# Altium PCB flexi_ethernet_w5500_solo.pcbdoc (part 1 of 7)
Units mm, origin at the board's own origin, x right, y up, seen from the top; angles counter-clockwise.
Board outline 85 x 20.49 mm, 4 copper layers (Top Layer, GND, PWR, Bottom Layer), stack 1.541 mm thick; 61 components, 41 nets, 7605 pads, 85 vias.
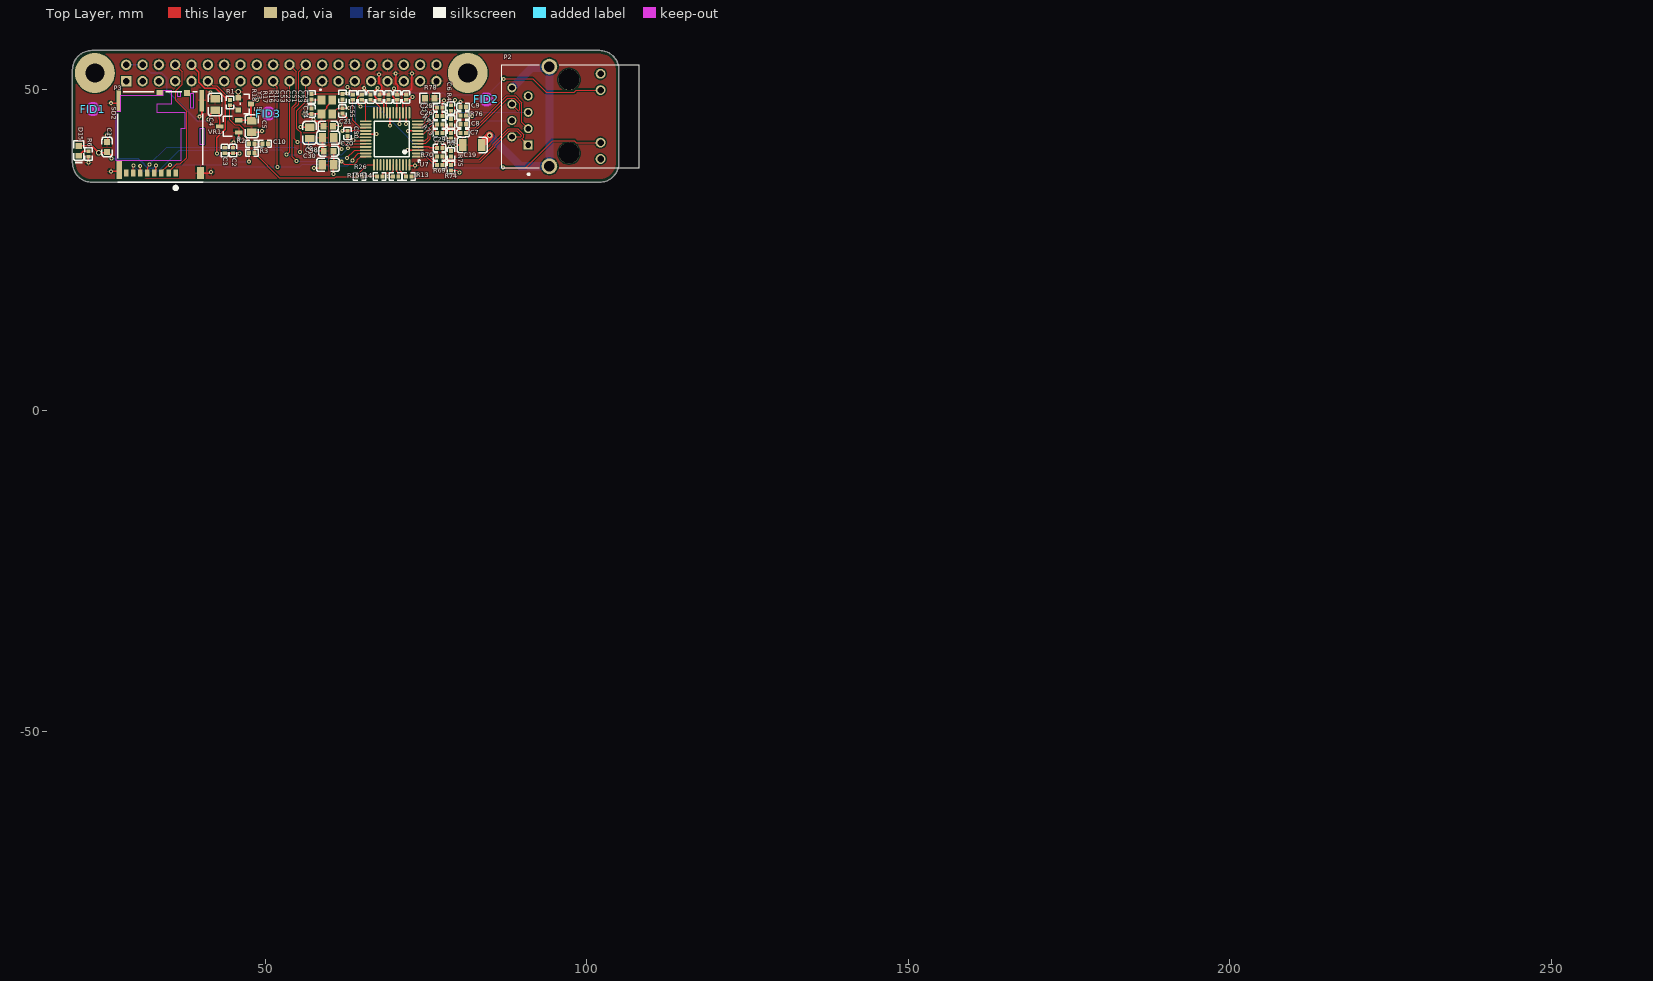
[diagram p0: Top Layer view]
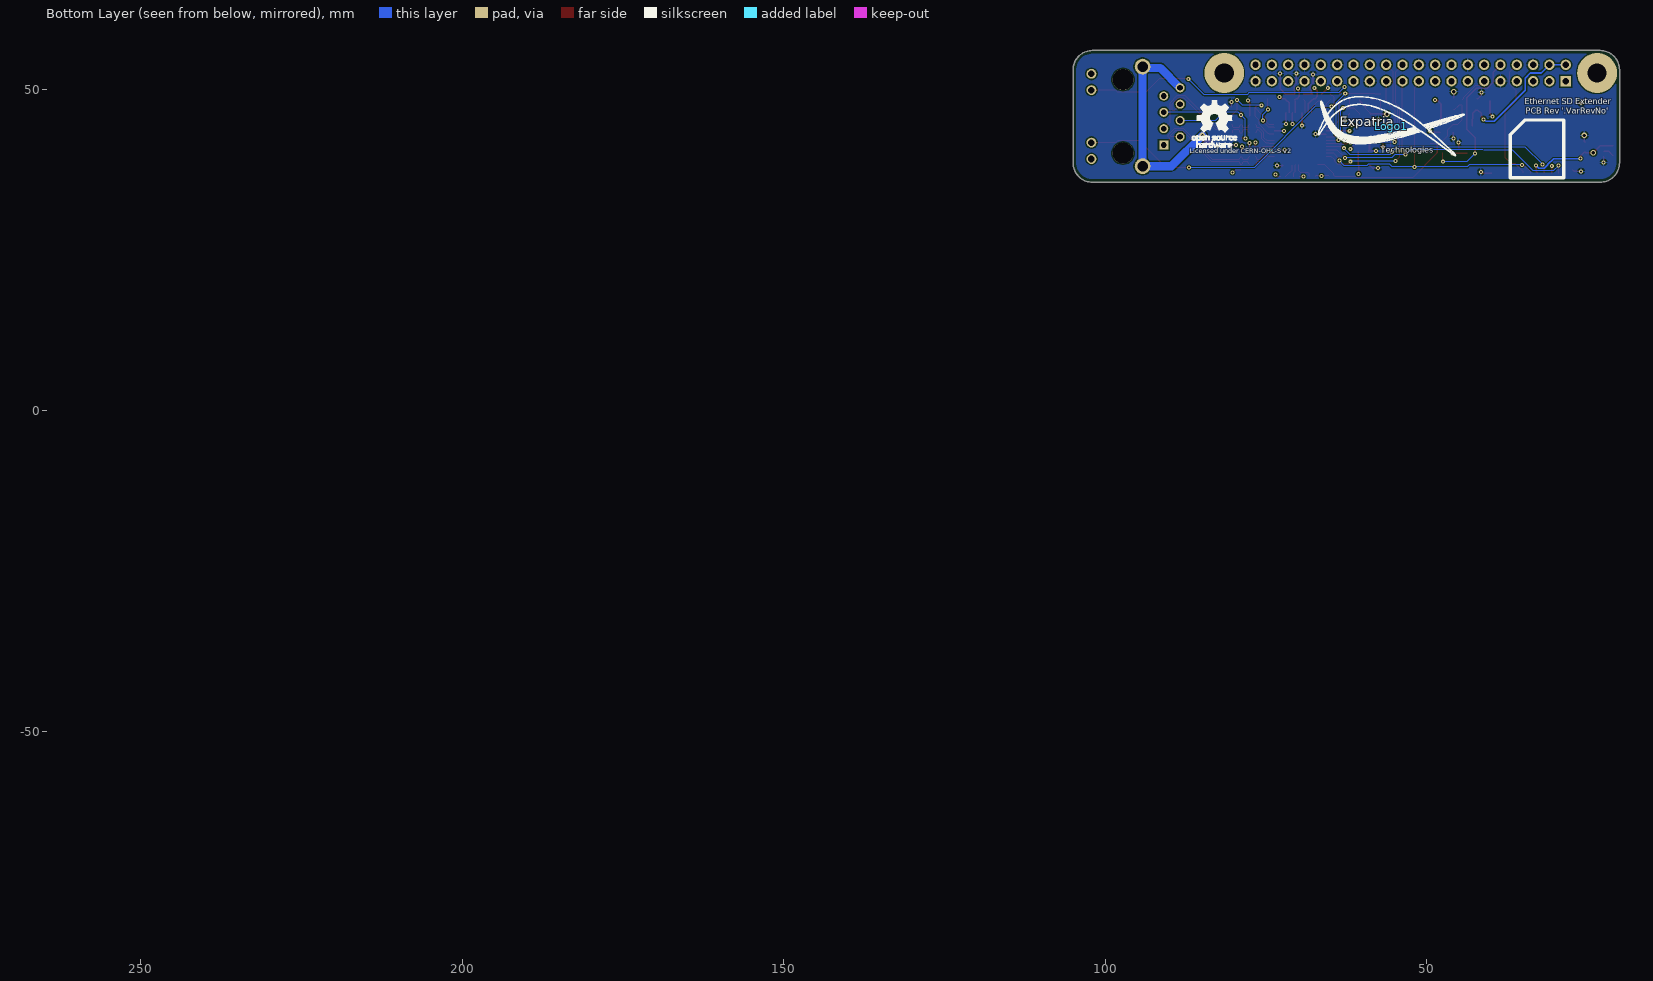
[diagram p1: Bottom Layer view, seen from below]
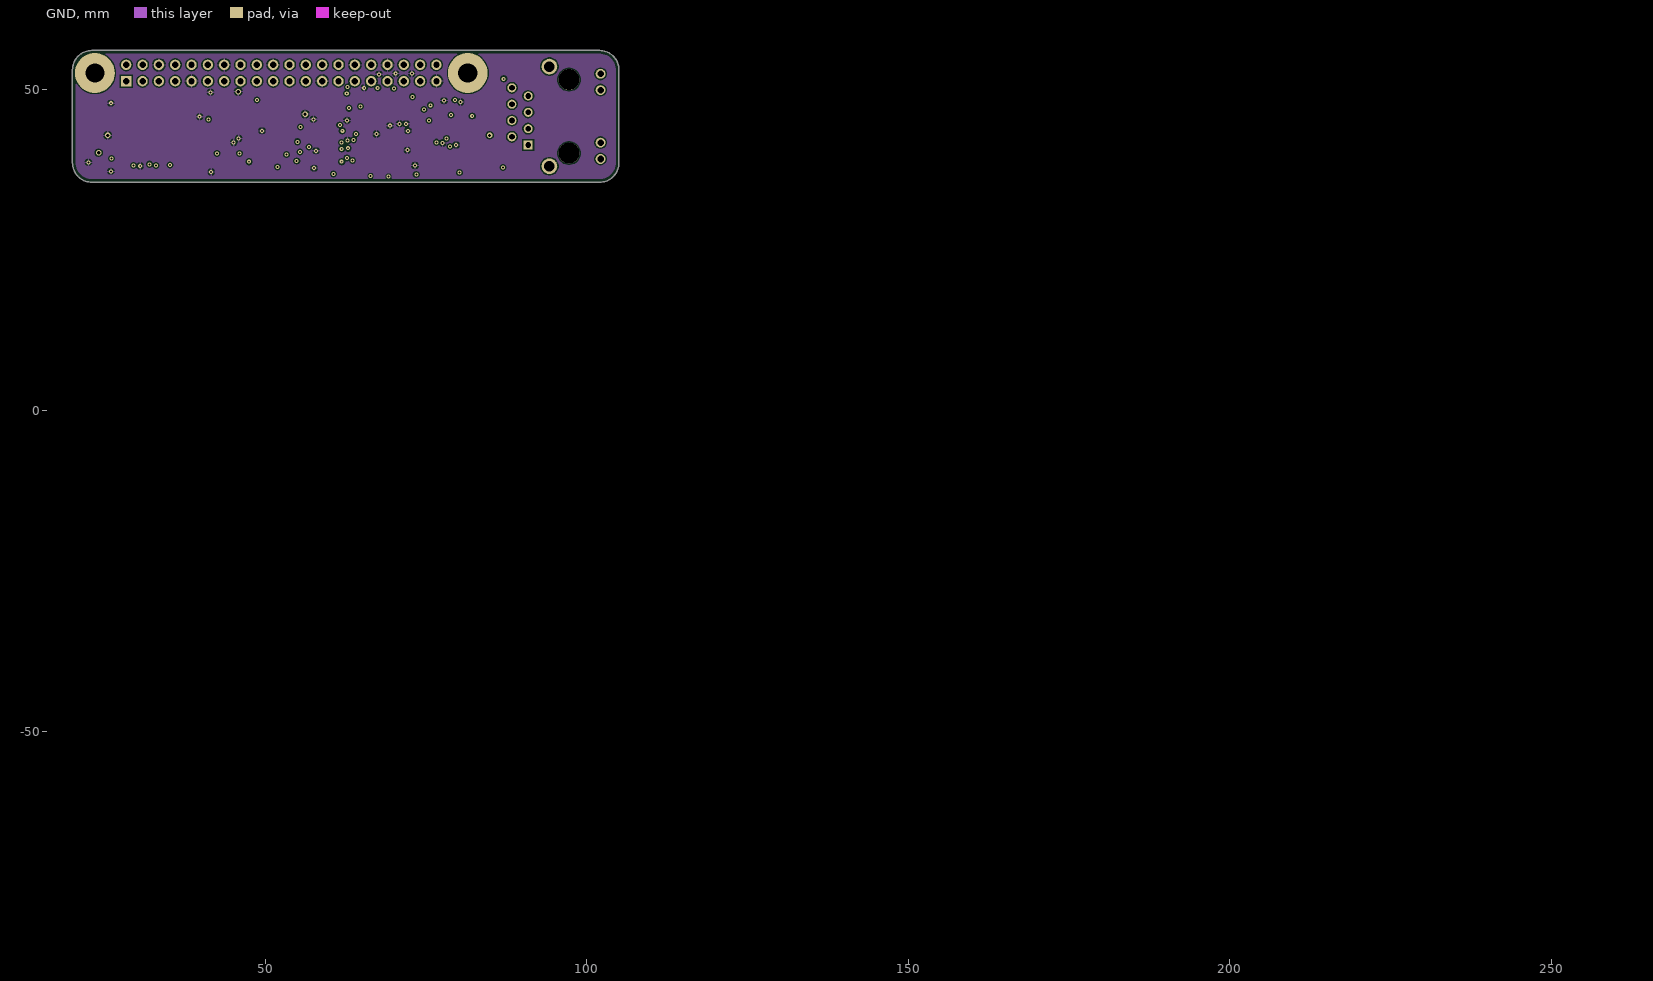
[diagram p2: GND]
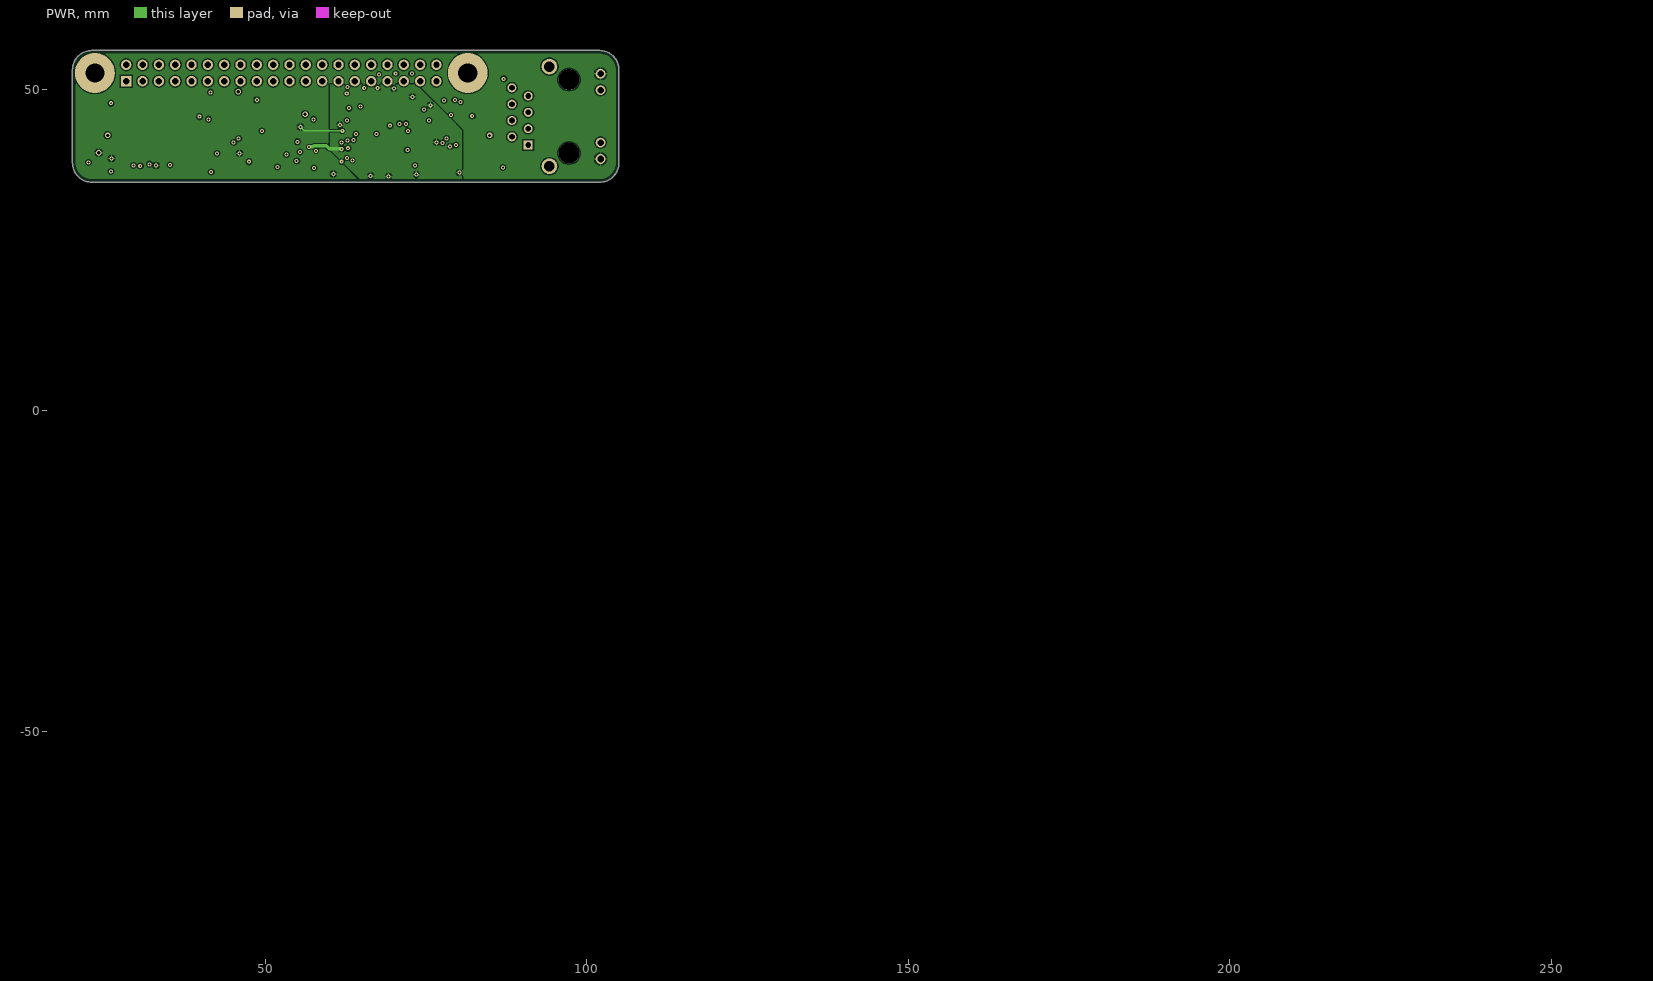
[diagram p3: PWR]
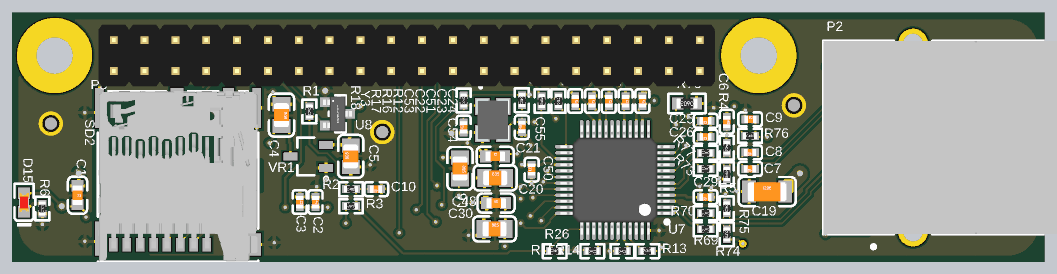
[diagram p10: 3D render of the assembled board from above, using the file's embedded part models]

## Layer stack, top to bottom
Top Solder: solder mask 0.0102, Solder Resist, Dk 3.5
Top Layer: signal copper 0.0356
Dielectric 3: prepreg 0.2, PP-006, Dk 4.5
GND: signal copper 0.035
Dielectric1: core 1, FR-4, Dk 4.8
PWR: signal copper 0.035
Dielectric 4: prepreg 0.2, PP-006, Dk 4.5
Bottom Layer: signal copper 0.0356
Bottom Solder: solder mask 0.0102, Solder Resist, Dk 3.5

## Board outline
20.021,38.515 20.021,53.004 cw(c23.021,53.004) 23.021,56.004 102.021,56.004 cw(c102.021,53.004) 105.021,53.004 105.021,38.515 cw(c102.021,38.515) 102.021,35.515 23.021,35.515 cw(c23.021,38.515)

## Design rules (kind name [scope] priority, off if disabled: settings)
BoardOutlineClearance [OnLayer('Top Layer')] p1: gap=0.508 ignorepadtopadclearanceinfootprint=FALSE
BoardOutlineClearance BoardOutlineClearance_3 [OnLayer('GND')] p2: gap=0.508 ignorepadtopadclearanceinfootprint=FALSE
BoardOutlineClearance BoardOutlineClearance_2 [OnLayer('PWR')] p3: gap=0.508 ignorepadtopadclearanceinfootprint=FALSE
BoardOutlineClearance BoardOutlineClearance_1 [OnLayer('Bottom Layer')] p4: gap=0.508 ignorepadtopadclearanceinfootprint=FALSE
Clearance [All] p1: gap=0.203 ignorepadtopadclearanceinfootprint=TRUE except(0: SMDPad-Hole Fill-Hole Poly-Hole Region-Hole Text-Hole; 0.254: Arc-Text Arc-Hole Track-Text Track-Hole SMDPad-Text THPad-Text Via-Via Via-Text Fill-Fill Fill-Poly Fill-Region Fill-Text Poly-Poly Poly-Region Poly-Text Region-Region Region-Text Text-Text; 0.305: SMDPad-Via THPad-Via; 0.5: THPad-Hole Via-Hole; 0.508: SMDPad-SMDPad SMDPad-THPad THPad-THPad)
Clearance "Pad Clearance" [IsPad vs IsPad] p2: gap=0.254 ignorepadtopadclearanceinfootprint=TRUE except(0: Arc-Hole Track-Hole SMDPad-Hole THPad-Hole Via-Hole Fill-Hole Poly-Hole Region-Hole Text-Hole; 0.203: Arc-Arc Arc-Track Arc-Fill Arc-Poly Arc-Region Track-Track Track-Fill Track-Poly Track-Region SMDPad-Fill SMDPad-Poly SMDPad-Region THPad-Fill THPad-Poly THPad-Region Via-Fill Via-Poly Via-Region; 0.305: SMDPad-Via THPad-Via; 0.508: SMDPad-SMDPad SMDPad-THPad THPad-THPad)
DiffPairsRouting [All] p1: maxlimit=0.254 minlimit=0.203 mostfreqgap=0.203 toplayer_minwidth=0.152 toplayer_maxwidth=0.381 toplayer_prefwidth=0.254 midlayer1_minwidth=0.152 midlayer1_maxwidth=0.381 midlayer1_prefwidth=0.305 midlayer2_minwidth=0.152 midlayer2_maxwidth=0.381 midlayer2_prefwidth=0.305 bottomlayer_minwidth=0.152 bottomlayer_maxwidth=0.381 bottomlayer_prefwidth=0.305 maxuncoupledlength=12.7
HoleSize [All] p1: absolutevalues=TRUE maxlimit=5.08 minlimit=0.025 maxpercent=80.000 minpercent=20.000
MinimumAnnularRing [All] p1: minimumring=0.15
MinimumSolderMaskSliver [All] p1: minsoldermaskwidth=0.127
PolygonConnect [All] p1: connectstyle=Relief reliefconductorwidth=0.254 reliefentries=4 polygonreliefangle="90 Angle" airgapwidth=0.254
RoutingVias [All] p1: holewidth=0.711 width=1.27 viastyle="Through Hole" minholewidth=0.711 minwidth=1.27 maxholewidth=0.711 maxwidth=1.27 useviatemplates=TRUE viatemplateguid#1={D2D227FB-A21A-479C-B379-F933B126E464} viatemplateguid#2={C817A0E2-04CB-4ECB-B084-9101D9E3CECF} viatemplateguid#3={7798B31B-59B0-45B4-AC1F-ED072D77587F} viatemplatename#1=v62h30m0mx0 viatemplatename#2=v85h50 viatemplatename#3=v127h71
SilkToSolderMaskClearance SilkscreenOverComponentPads [IsPad] p1: minsilkscreentomaskgap=0.254 clearancetoexposedcopper=TRUE
SolderMaskExpansion [All] p1: expansion=0.102 istentingtop=FALSE
ViasUnderSMD [All] p1: allowed=FALSE
Width [All] p1: maxlimit=5.08 minlimit=0.152 preferedwidth=0.203 minimp=50.000000 maximp=50.000000 favimp=50.000000
26 further rules are at their usual default settings.

## Classes and differential pairs
component class flexi_ethernet_w5500: C1 C2 C3 C4 C5 C6 C7 C8 C9 C10 C19 C20 C21 C22 C23 C24 C25 C26 C29 C30 C48 C50 C51 C53 C54 C55 D15 L6 P2 P3 R1 R2 R3 R4 R5 R6 R12 R13 R14 R15 R16 R17 R18 R26 R69 R70 R73 R74 R75 R76 R77 R78 SD2 U7 U8 VR1 Y3
differential pair TX: +TX_P -TX_N
differential pair TX_R: +TX_R_P -TX_R_N
differential pair RX: +RX_P -RX_N
differential pair RX_R: +RX_R_P -RX_R_N
differential pair RX_C: +RX_C_P -RX_C_N

## Components (designator, comment, footprint, x,y, rotation, side; value= is the part's Value field where it differs from the comment)
C1 "4.7uF" 0603_C 25.4,41 r270 top
C2 "1.0uF" 0402_C 45,40.44 r270 top
C3 "100nF" 0402_C 43.7,40.44 r270 top
C4 "22uF" 0805_C 42.2,47.6 r270 top
C5 "22uF" 0805_C 47.9,44.2 r90 top
C6 "10nF" 0402_C 78.875,47.05 r270 top
C7 "6.8nF" 0402_C 80.8,43.163 r180 top
C8 "6.8nF" 0402_C 80.8,44.525 r180 top
C9 "22nF" 0402_C 80.8,47.25 r0 top
C10 "1.0uF" 0402_C 50,41.5 r180 top
C19 "1nF" 1206_C 82.2,41.3 r0 top
C20 "22uF" 0805_C 59.8,42.425 r0 top
C21 "4.7uF" 0603_C 59.8,44.2 r0 top
C22 "100nF" 0402_C 67.775,48.755 r270 top
C23 "100nF" 0402_C 70.542,48.755 r270 top
C24 "100nF" 0402_C 71.925,48.755 r270 top
C25 "100nF" 0402_C 77.136,47.125 r180 top
C26 "100nF" 0402_C 77.136,45.804 r180 top
C29 "100nF" 0402_C 77.125,40.842 r180 top
C30 "22uF" 0805_C 59.75,38.225 r0 top
C48 "4.7uF" 0603_C 59.875,40.35 r0 top
C50 "100nF" 0402_C 62.8,43.1 r90 top
C51 "4.7uF" 0402_C 69.158,48.755 r270 top
C53 "10nF" 0402_C 66.392,48.755 r270 top
C54 "10pF" 0402_C 57.2,46.575 r90 top
C55 "10pF" 0402_C 62,46.6 r90 top
D15 "0603 Green" 0603_LED_S1 21,40.4 r90 top
FID1 "Fiducial" Fiducial10-20 23.2,46.9 r90 top
FID2 "Fiducial" Fiducial10-20 84.4,48.4 r90 top
FID3 "Fiducial" Fiducial10-20 50.5,46.2 r90 top
L6 "220Ω @ 100MHz 1 2A" 0805_C 56.9,43.2 r270 top
Logo1 "Expatria" Expatria-Logo -1072.273,1150.636 r180 bottom value="SBT LOGO"
P2 "Magjack" HANRUN_HR911105A 97.261,45.75 r270 top locked
P3 "Header 20X2" HDR2X20_2.54_180 28.379,51.23 r180 top locked
R1 "0Ω ±1%" 0402_R 44.5,47.9 r270 top
R2 "0Ω ±1%" 0402_R 47.925,41.5 r0 top
R3 "0Ω ±1%" 0402_R 47.925,40.1 r180 top
R4 "49.9Ω ±1%" 0402_R 78.875,44.908 r270 top
R5 "49.9Ω ±1%" 0402_R 78.875,42.737 r90 top
R6 "4.7KΩ ±1%" 0402_R 22.5,39.9 r90 top
R12 "330Ω ±1%" 0402_R 65.008,48.755 r90 top
R13 "10KΩ ±1%" 0402_R 72.325,36.4 r180 top
R14 "10KΩ ±1%" 0402_R 70.275,36.4 r0 top
R15 "10KΩ ±1%" 0402_R 67.8,36.4 r0 top
R16 "330Ω ±1%" 0402_R 63.625,48.755 r90 top
R17 "1MΩ ±1%" 0402_R 62,48.825 r270 top
R18 "0Ω ±1%" 0402_R 57.2,48.8 r270 top
R26 "10KΩ ±1%" 0402_R 64.7,36.4 r180 top
R69 "33Ω ±1%" 0402_R 77.125,38.2 r180 top
R70 "33Ω ±1%" 0402_R 77.125,39.521 r180 top
R73 "33Ω ±1%" 0402_R 77.136,43.163 r180 top
R74 "49.9Ω ±1%" 0402_R 78.875,37.775 r90 top
R75 "49.9Ω ±1%" 0402_R 78.875,39.925 r270 top
R76 "10Ω ±1%" 0402_R 80.8,45.888 r0 top
R77 "33Ω ±1%" 0402_R 77.136,44.483 r180 top
R78 "12.4KΩ ±1%" 0603_R 75.599,48.55 r180 top
SD2 "503398-1892" MOLX-503398-1892_V 33.68,43.19 r180 top locked
U7 "W5500" LQFP-48_7x7x05P 69.675,42.25 r90 top
U8 "MAX809STRG" FP-318-08-MFG 46.8,47.7 r0 top
VR1 "XC6206P332MR" SOT-23-3L 44.4,44.2 r0 top
Y3 "25.0 MHz" YSX321SL 59.6,47.2 r270 top locked

## Footprints (in the part's own frame and the unit in brackets; to place one, negate y for a bottom-side part, rotate by r counter-clockwise, add the part's x,y. Pads: shape width x height; smd on the part's side, far side on the other; paste and mask are expansions set on the pad)
0402_C [mm]
  rect 0.6x0.65 smd mask+0.051: 1(-0.425,0) 2(0.425,0)
  silkscreen extent -0.98,-0.58 0.98,0.58, body extent -0.48,-0.3 0.52,0.3, height 0.2
0402_R [mm]
  rect 0.6x0.65 smd mask+0.051: 1(-0.425,0) 2(0.425,0)
  silkscreen extent -0.97,-0.58 0.97,0.58, body extent -0.57,-0.27 0.58,0.28, height 0.41
0603_C [mm]
  rect 0.93x0.98 smd: 1(-0.77,0) 2(0.77,0)
  silkscreen extent -1.53,-0.79 1.54,0.79, body extent -0.8,-0.4 0.8,0.4, height 0.3
0603_LED_S1 [mm]
  rect 0.93x0.98 smd: A(0.77,0) K(-0.77,0)
  silkscreen extent -1.98,-0.79 1.54,0.79, body extent -0.8,-0.4 0.8,0.4, height 0.6
0603_R [mm]
  rect 0.93x0.98 smd: 1(-0.77,0) 2(0.77,0)
  silkscreen extent -1.53,-0.79 1.54,0.79, body extent -0.85,-0.4 0.85,0.4, height 0.56
0805_C [mm]
  rect 1.16x1.47 smd: 1(-0.89,0) 2(0.89,0)
  silkscreen extent -1.77,-1.04 1.77,1.04, body extent -1,-0.62 1,0.63, height 0.77
1206_C [mm]
  rect 1.13x1.8 smd: 1(-1.49,0) 2(1.49,0)
  silkscreen extent -2.36,-1.2 2.35,1.2, body extent -1.6,-0.81 1.6,0.79, height 1
Expatria-Logo [mil] "Expatria DXF logo"